# KiCad board first_keyboard.kicad_pcb (continued)
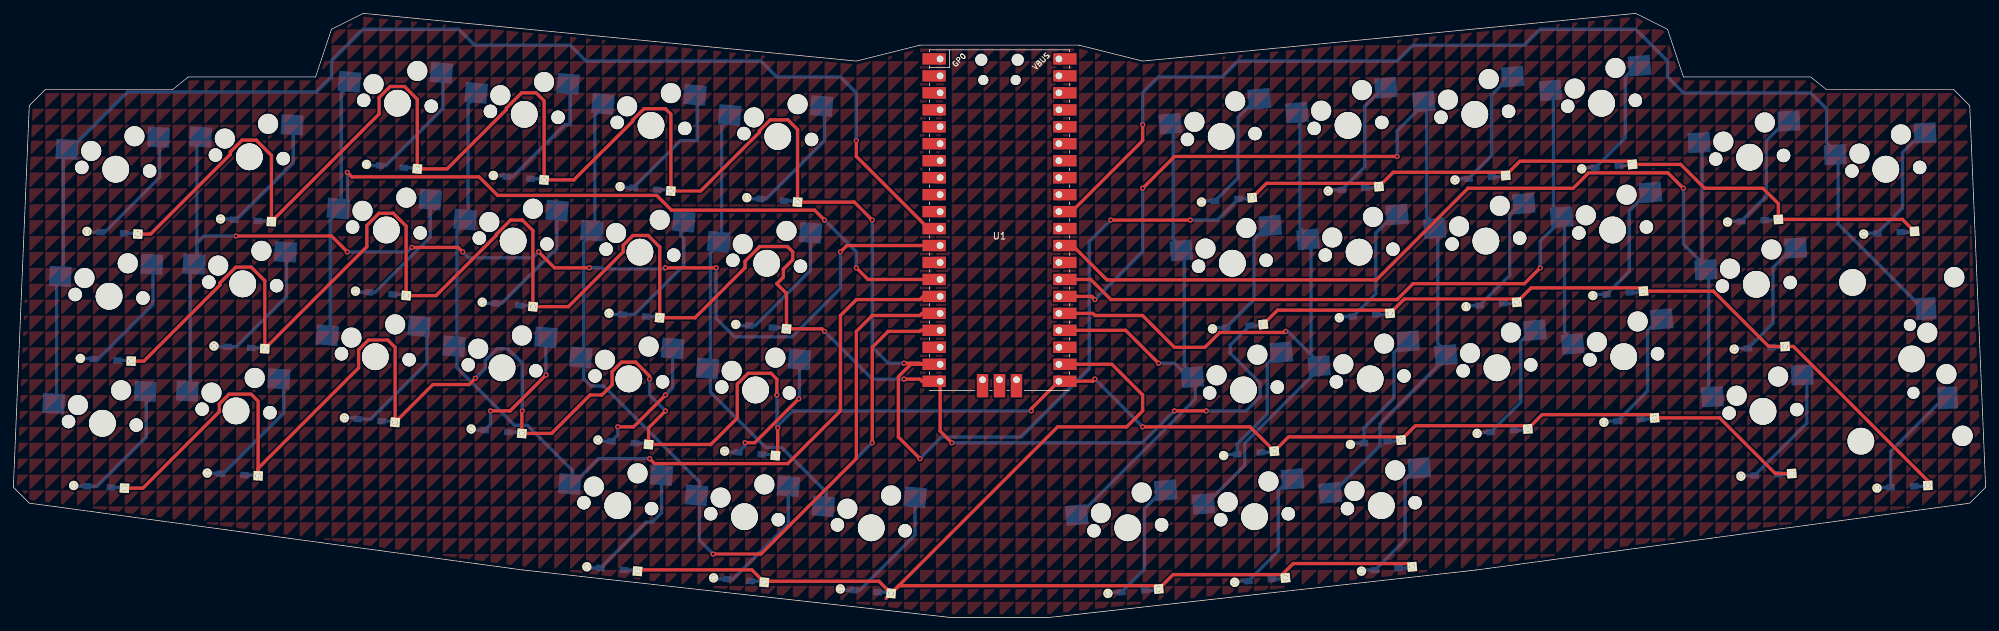
[diagram p0: board, top side]
## Copper pours and planes (outline as drawn; the poured copper is in the pictures) (continued)
(no net) on Top, Bottom: 69.06,135.73 69.06,133.35 71.44,135.73
(no net) on Top, Bottom: 9.53,42.86 9.53,40.48 11.91,42.86
(no net) on Top, Bottom: 302.42,73.82 302.42,71.44 304.8,73.82
(no net) on Top, Bottom: 211.93,114.3 211.93,111.92 214.31,114.3
(no net) on Top, Bottom: 150.02,92.87 150.02,90.49 152.4,92.87
(no net) on Top, Bottom: 171.45,76.2 171.45,73.82 173.83,76.2
(no net) on Top, Bottom: 54.77,-23.81 54.77,-26.19 57.15,-23.81
(no net) on Top, Bottom: 261.94,114.3 261.94,111.92 264.32,114.3
(no net) on Top, Bottom: 0,42.86 0,40.48 2.38,42.86
(no net) on Top, Bottom: 185.74,4.76 185.74,2.38 188.12,4.76
(no net) on Top, Bottom: 109.54,76.2 109.54,73.82 111.92,76.2
(no net) on Top, Bottom: 204.79,92.87 204.79,90.49 207.17,92.87
(no net) on Top, Bottom: 204.79,47.62 204.79,45.24 207.17,47.62
(no net) on Top, Bottom: 245.27,64.29 245.27,61.91 247.65,64.29
(no net) on Top, Bottom: 47.62,35.72 47.62,33.34 50.01,35.72
(no net) on Top, Bottom: 104.77,145.26 104.77,142.88 107.16,145.26
(no net) on Top, Bottom: 261.94,0 261.94,-2.38 264.32,0
(no net) on Top, Bottom: 104.77,42.86 104.77,40.48 107.16,42.86
(no net) on Top, Bottom: 261.94,102.39 261.94,100.01 264.32,102.39
(no net) on Top, Bottom: 183.36,30.96 183.36,28.57 185.74,30.96
(no net) on Top, Bottom: 259.56,-33.34 259.56,-35.72 261.94,-33.34
(no net) on Top, Bottom: 238.12,114.3 238.12,111.92 240.51,114.3
(no net) on Top, Bottom: 169.07,123.83 169.07,121.44 171.45,123.83
(no net) on Top, Bottom: 159.54,52.39 159.54,50.01 161.93,52.39
(no net) on Top, Bottom: 140.49,76.2 140.49,73.82 142.88,76.2
(no net) on Top, Bottom: 100.01,40.48 100.01,38.1 102.39,40.48
(no net) on Top, Bottom: 138.11,-38.1 138.11,-40.48 140.49,-38.1
(no net) on Top, Bottom: 69.06,-19.05 69.06,-21.43 71.44,-19.05
(no net) on Top, Bottom: 57.15,76.2 57.15,73.82 59.53,76.2
(no net) on Top, Bottom: 269.08,35.72 269.08,33.34 271.46,35.72
(no net) on Top, Bottom: 295.27,88.11 295.27,85.72 297.66,88.11
(no net) on Top, Bottom: 30.96,0 30.96,-2.38 33.34,0
(no net) on Top, Bottom: 226.22,16.67 226.22,14.29 228.6,16.67
(no net) on Top, Bottom: 216.69,-23.81 216.69,-26.19 219.07,-23.81
(no net) on Top, Bottom: 228.6,0 228.6,-2.38 230.98,0
(no net) on Top, Bottom: 133.35,35.72 133.35,33.34 135.73,35.72
(no net) on Top, Bottom: 4.76,0 4.76,-2.38 7.14,0
(no net) on Top, Bottom: 285.75,142.88 285.75,140.49 288.13,142.88
(no net) on Top, Bottom: 257.18,61.91 257.18,59.53 259.56,61.91
(no net) on Top, Bottom: 28.58,90.49 28.58,88.11 30.96,90.49
(no net) on Top, Bottom: 30.96,80.96 30.96,78.58 33.34,80.96
(no net) on Top, Bottom: 204.79,140.49 204.79,138.11 207.17,140.49
(no net) on Top, Bottom: 254.79,-33.34 254.79,-35.72 257.18,-33.34
(no net) on Top, Bottom: 47.62,76.2 47.62,73.82 50.01,76.2
(no net) on Top, Bottom: 264.32,109.54 264.32,107.16 266.7,109.54
(no net) on Top, Bottom: 100.01,-30.96 100.01,-33.34 102.39,-30.96
(no net) on Top, Bottom: 66.67,-26.19 66.67,-28.57 69.06,-26.19
(no net) on Top, Bottom: 21.43,78.58 21.43,76.2 23.81,78.58
(no net) on Top, Bottom: 202.41,40.48 202.41,38.1 204.79,40.48
(no net) on Top, Bottom: 121.44,71.44 121.44,69.06 123.83,71.44
(no net) on Top, Bottom: 123.83,88.11 123.83,85.72 126.21,88.11
(no net) on Top, Bottom: 238.12,-30.96 238.12,-33.34 240.51,-30.96
(no net) on Top, Bottom: 47.62,135.73 47.62,133.35 50.01,135.73
(no net) on Top, Bottom: 21.43,90.49 21.43,88.11 23.81,90.49
(no net) on Top, Bottom: 16.67,76.2 16.67,73.82 19.05,76.2
(no net) on Top, Bottom: 71.44,11.91 71.44,9.53 73.82,11.91
(no net) on Top, Bottom: 173.83,111.92 173.83,109.54 176.21,111.92
(no net) on Top, Bottom: 240.51,28.57 240.51,26.19 242.89,28.57
(no net) on Top, Bottom: 100.01,-19.05 100.01,-21.43 102.39,-19.05
(no net) on Top, Bottom: 92.87,147.64 92.87,145.26 95.25,147.64
(no net) on Top, Bottom: 173.83,61.91 173.83,59.53 176.21,61.91
(no net) on Top, Bottom: 280.99,121.44 280.99,119.06 283.37,121.44
(no net) on Top, Bottom: 123.83,114.3 123.83,111.92 126.21,114.3
(no net) on Top, Bottom: 47.62,73.82 47.62,71.44 50.01,73.82
(no net) on Top, Bottom: 185.74,100.01 185.74,97.63 188.12,100.01
(no net) on Top, Bottom: 173.83,100.01 173.83,97.63 176.21,100.01
(no net) on Top, Bottom: 102.39,-11.91 102.39,-14.29 104.77,-11.91
(no net) on Top, Bottom: 202.41,145.26 202.41,142.88 204.79,145.26
(no net) on Top, Bottom: 240.51,45.24 240.51,42.86 242.89,45.24
(no net) on Top, Bottom: 64.29,130.97 64.29,128.59 66.67,130.97
(no net) on Top, Bottom: 23.81,21.43 23.81,19.05 26.19,21.43
(no net) on Top, Bottom: 226.22,145.26 226.22,142.88 228.6,145.26
(no net) on Top, Bottom: 85.73,69.06 85.73,66.68 88.11,69.06
(no net) on Top, Bottom: 95.25,-11.91 95.25,-14.29 97.63,-11.91
(no net) on Top, Bottom: 40.48,-35.72 40.48,-38.1 42.86,-35.72
(no net) on Top, Bottom: 71.44,19.05 71.44,16.67 73.82,19.05
(no net) on Top, Bottom: 209.55,28.57 209.55,26.19 211.93,28.57
(no net) on Top, Bottom: 278.61,90.49 278.61,88.11 280.99,90.49
(no net) on Top, Bottom: 154.78,85.72 154.78,83.34 157.16,85.72
(no net) on Top, Bottom: 235.74,-35.72 235.74,-38.1 238.12,-35.72
(no net) on Top, Bottom: 235.74,80.96 235.74,78.58 238.12,80.96
(no net) on Top, Bottom: 240.51,2.38 240.51,0 242.89,2.38
(no net) on Top, Bottom: 114.3,80.96 114.3,78.58 116.68,80.96
(no net) on Top, Bottom: 216.69,-33.34 216.69,-35.72 219.07,-33.34
(no net) on Top, Bottom: 107.16,114.3 107.16,111.92 109.54,114.3
(no net) on Top, Bottom: 121.44,102.39 121.44,100.01 123.83,102.39
(no net) on Top, Bottom: 109.54,138.11 109.54,135.73 111.92,138.11
(no net) on Top, Bottom: 57.15,40.48 57.15,38.1 59.53,40.48
(no net) on Top, Bottom: 183.36,-9.53 183.36,-11.91 185.74,-9.53
(no net) on Top, Bottom: 204.79,128.59 204.79,126.21 207.17,128.59
(no net) on Top, Bottom: 100.01,78.58 100.01,76.2 102.39,78.58
(no net) on Top, Bottom: 85.73,-28.57 85.73,-30.96 88.11,-28.57
(no net) on Top, Bottom: 97.63,130.97 97.63,128.59 100.01,130.97
(no net) on Top, Bottom: 211.93,123.83 211.93,121.44 214.31,123.83
(no net) on Top, Bottom: 276.22,9.53 276.22,7.14 278.61,9.53
(no net) on Top, Bottom: 176.21,40.48 176.21,38.1 178.59,40.48
(no net) on Top, Bottom: 109.54,150.02 109.54,147.64 111.92,150.02
(no net) on Top, Bottom: 11.91,-7.14 11.91,-9.53 14.29,-7.14
(no net) on Top, Bottom: 126.21,54.77 126.21,52.39 128.59,54.77
(no net) on Top, Bottom: 83.34,-21.43 83.34,-23.81 85.73,-21.43
(no net) on Top, Bottom: 64.29,-4.76 64.29,-7.14 66.67,-4.76
(no net) on Top, Bottom: 233.36,78.58 233.36,76.2 235.74,78.58
(no net) on Top, Bottom: 230.98,109.54 230.98,107.16 233.36,109.54
(no net) on Top, Bottom: 119.06,100.01 119.06,97.63 121.44,100.01
(no net) on Top, Bottom: 66.67,40.48 66.67,38.1 69.06,40.48
(no net) on Top, Bottom: 211.93,0 211.93,-2.38 214.31,0
(no net) on Top, Bottom: 150.02,107.16 150.02,104.78 152.4,107.16
(no net) on Top, Bottom: 219.07,145.26 219.07,142.88 221.46,145.26
(no net) on Top, Bottom: 200.02,-23.81 200.02,-26.19 202.41,-23.81
(no net) on Top, Bottom: 121.44,111.92 121.44,109.54 123.83,111.92
(no net) on Top, Bottom: 257.18,2.38 257.18,0 259.56,2.38
(no net) on Top, Bottom: 261.94,4.76 261.94,2.38 264.32,4.76
(no net) on Top, Bottom: 73.82,83.34 73.82,80.96 76.2,83.34
(no net) on Top, Bottom: 0,14.29 0,11.91 2.38,14.29
(no net) on Top, Bottom: 264.32,57.15 264.32,54.77 266.7,57.15
(no net) on Top, Bottom: 214.31,64.29 214.31,61.91 216.69,64.29
(no net) on Top, Bottom: 285.75,4.76 285.75,2.38 288.13,4.76
(no net) on Top, Bottom: 92.87,73.82 92.87,71.44 95.25,73.82
(no net) on Top, Bottom: 52.39,150.02 52.39,147.64 54.77,150.02
(no net) on Top, Bottom: 11.91,45.24 11.91,42.86 14.29,45.24
(no net) on Top, Bottom: 130.97,150.02 130.97,147.64 133.35,150.02
(no net) on Top, Bottom: 280.99,142.88 280.99,140.49 283.37,142.88
(no net) on Top, Bottom: 269.08,69.06 269.08,66.68 271.46,69.06
(no net) on Top, Bottom: 7.14,-11.91 7.14,-14.29 9.53,-11.91
(no net) on Top, Bottom: 40.48,85.72 40.48,83.34 42.86,85.72
(no net) on Top, Bottom: 61.91,-14.29 61.91,-16.67 64.29,-14.29
(no net) on Top, Bottom: 130.97,-21.43 130.97,-23.81 133.35,-21.43
(no net) on Top, Bottom: 145.26,142.88 145.26,140.49 147.64,142.88
(no net) on Top, Bottom: 297.66,92.87 297.66,90.49 300.04,92.87
(no net) on Top, Bottom: 123.83,16.67 123.83,14.29 126.21,16.67
(no net) on Top, Bottom: 80.96,73.82 80.96,71.44 83.34,73.82
(no net) on Top, Bottom: 188.12,121.44 188.12,119.06 190.5,121.44
(no net) on Top, Bottom: 147.64,4.76 147.64,2.38 150.02,4.76
(no net) on Top, Bottom: 161.93,23.81 161.93,21.43 164.31,23.81
(no net) on Top, Bottom: 140.49,45.24 140.49,42.86 142.88,45.24
(no net) on Top, Bottom: 200.02,119.06 200.02,116.68 202.41,119.06
(no net) on Top, Bottom: 261.94,-30.96 261.94,-33.34 264.32,-30.96
(no net) on Top, Bottom: 33.34,69.06 33.34,66.68 35.72,69.06
(no net) on Top, Bottom: 73.82,-16.67 73.82,-19.05 76.2,-16.67
(no net) on Top, Bottom: 159.54,-33.34 159.54,-35.72 161.93,-33.34
(no net) on Top, Bottom: 159.54,85.72 159.54,83.34 161.93,85.72
(no net) on Top, Bottom: 245.27,95.25 245.27,92.87 247.65,95.25
(no net) on Top, Bottom: 135.73,9.53 135.73,7.14 138.11,9.53
(no net) on Top, Bottom: 159.54,95.25 159.54,92.87 161.93,95.25
(no net) on Top, Bottom: 264.32,21.43 264.32,19.05 266.7,21.43
(no net) on Top, Bottom: 104.77,128.59 104.77,126.21 107.16,128.59
(no net) on Top, Bottom: 121.44,116.68 121.44,114.3 123.83,116.68
(no net) on Top, Bottom: 130.97,-23.81 130.97,-26.19 133.35,-23.81
(no net) on Top, Bottom: 223.84,-33.34 223.84,-35.72 226.22,-33.34
(no net) on Top, Bottom: 164.31,-11.91 164.31,-14.29 166.69,-11.91
(no net) on Top, Bottom: 80.96,116.68 80.96,114.3 83.34,116.68
(no net) on Top, Bottom: 69.06,16.67 69.06,14.29 71.44,16.67
(no net) on Top, Bottom: 116.68,11.91 116.68,9.53 119.06,11.91
(no net) on Top, Bottom: 228.6,16.67 228.6,14.29 230.98,16.67
(no net) on Top, Bottom: 114.3,40.48 114.3,38.1 116.68,40.48
(no net) on Top, Bottom: 283.37,140.49 283.37,138.11 285.75,140.49
(no net) on Top, Bottom: 23.81,4.76 23.81,2.38 26.19,4.76
(no net) on Top, Bottom: 114.3,97.63 114.3,95.25 116.68,97.63
(no net) on Top, Bottom: 111.92,121.44 111.92,119.06 114.3,121.44
(no net) on Top, Bottom: 276.22,59.53 276.22,57.15 278.61,59.53
(no net) on Top, Bottom: 276.22,-14.29 276.22,-16.67 278.61,-14.29
(no net) on Top, Bottom: 288.13,111.92 288.13,109.54 290.51,111.92
(no net) on Top, Bottom: 7.14,16.67 7.14,14.29 9.53,16.67
(no net) on Top, Bottom: 226.22,42.86 226.22,40.48 228.6,42.86
(no net) on Top, Bottom: 33.34,114.3 33.34,111.92 35.72,114.3
(no net) on Top, Bottom: 169.07,-21.43 169.07,-23.81 171.45,-21.43
(no net) on Top, Bottom: 209.55,69.06 209.55,66.68 211.93,69.06
(no net) on Top, Bottom: 280.99,119.06 280.99,116.68 283.37,119.06
(no net) on Top, Bottom: 126.21,135.73 126.21,133.35 128.59,135.73
(no net) on Top, Bottom: 7.14,-9.53 7.14,-11.91 9.53,-9.53
(no net) on Top, Bottom: 114.3,16.67 114.3,14.29 116.68,16.67
(no net) on Top, Bottom: 300.04,147.64 300.04,145.26 302.42,147.64
(no net) on Top, Bottom: 78.58,-14.29 78.58,-16.67 80.96,-14.29
(no net) on Top, Bottom: 242.89,0 242.89,-2.38 245.27,0
(no net) on Top, Bottom: 209.55,102.39 209.55,100.01 211.93,102.39
(no net) on Top, Bottom: 230.98,14.29 230.98,11.91 233.36,14.29
(no net) on Top, Bottom: 88.11,-30.96 88.11,-33.34 90.49,-30.96
(no net) on Top, Bottom: 235.74,57.15 235.74,54.77 238.12,57.15
(no net) on Top, Bottom: 216.69,-38.1 216.69,-40.48 219.07,-38.1
(no net) on Top, Bottom: 95.25,114.3 95.25,111.92 97.63,114.3
(no net) on Top, Bottom: 111.92,61.91 111.92,59.53 114.3,61.91
(no net) on Top, Bottom: 173.83,90.49 173.83,88.11 176.21,90.49
(no net) on Top, Bottom: 254.79,133.35 254.79,130.97 257.18,133.35
(no net) on Top, Bottom: 138.11,-19.05 138.11,-21.43 140.49,-19.05
(no net) on Top, Bottom: 254.79,140.49 254.79,138.11 257.18,140.49
(no net) on Top, Bottom: 192.88,52.39 192.88,50.01 195.26,52.39
(no net) on Top, Bottom: 85.73,78.58 85.73,76.2 88.11,78.58
(no net) on Top, Bottom: 190.5,61.91 190.5,59.53 192.88,61.91
(no net) on Top, Bottom: 183.36,33.34 183.36,30.96 185.74,33.34
(no net) on Top, Bottom: 188.12,26.19 188.12,23.81 190.5,26.19
(no net) on Top, Bottom: 178.59,95.25 178.59,92.87 180.98,95.25
(no net) on Top, Bottom: 40.48,116.68 40.48,114.3 42.86,116.68
(no net) on Top, Bottom: 166.69,45.24 166.69,42.86 169.07,45.24
(no net) on Top, Bottom: 169.07,28.57 169.07,26.19 171.45,28.57
(no net) on Top, Bottom: 19.05,26.19 19.05,23.81 21.43,26.19
(no net) on Top, Bottom: 109.54,104.78 109.54,102.39 111.92,104.78
(no net) on Top, Bottom: 221.46,11.91 221.46,9.53 223.84,11.91
(no net) on Top, Bottom: 161.93,50.01 161.93,47.62 164.31,50.01
(no net) on Top, Bottom: 285.75,147.64 285.75,145.26 288.13,147.64
(no net) on Top, Bottom: 150.02,-11.91 150.02,-14.29 152.4,-11.91
(no net) on Top, Bottom: 192.88,130.97 192.88,128.59 195.26,130.97
(no net) on Top, Bottom: 111.92,52.39 111.92,50.01 114.3,52.39
(no net) on Top, Bottom: 59.53,121.44 59.53,119.06 61.91,121.44
(no net) on Top, Bottom: 228.6,104.78 228.6,102.39 230.98,104.78
(no net) on Top, Bottom: 88.11,-23.81 88.11,-26.19 90.49,-23.81
(no net) on Top, Bottom: 183.36,130.97 183.36,128.59 185.74,130.97
(no net) on Top, Bottom: 126.21,-14.29 126.21,-16.67 128.59,-14.29
(no net) on Top, Bottom: 83.34,119.06 83.34,116.68 85.73,119.06
(no net) on Top, Bottom: 271.46,-21.43 271.46,-23.81 273.84,-21.43
(no net) on Top, Bottom: 138.11,-2.38 138.11,-4.76 140.49,-2.38
(no net) on Top, Bottom: 219.07,71.44 219.07,69.06 221.46,71.44
(no net) on Top, Bottom: 150.02,52.39 150.02,50.01 152.4,52.39
(no net) on Top, Bottom: 185.74,33.34 185.74,30.96 188.12,33.34
(no net) on Top, Bottom: 164.31,9.53 164.31,7.14 166.69,9.53
(no net) on Top, Bottom: 147.64,47.62 147.64,45.24 150.02,47.62
(no net) on Top, Bottom: 76.2,14.29 76.2,11.91 78.58,14.29
(no net) on Top, Bottom: 52.39,130.97 52.39,128.59 54.77,130.97
(no net) on Top, Bottom: 300.04,57.15 300.04,54.77 302.42,57.15
(no net) on Top, Bottom: 35.72,116.68 35.72,114.3 38.1,116.68
(no net) on Top, Bottom: 173.83,142.88 173.83,140.49 176.21,142.88
(no net) on Top, Bottom: 252.41,-28.57 252.41,-30.96 254.79,-28.57
(no net) on Top, Bottom: 88.11,38.1 88.11,35.72 90.49,38.1
(no net) on Top, Bottom: 52.39,-2.38 52.39,-4.76 54.77,-2.38
(no net) on Top, Bottom: 121.44,130.97 121.44,128.59 123.83,130.97
(no net) on Top, Bottom: 214.31,42.86 214.31,40.48 216.69,42.86
(no net) on Top, Bottom: 245.27,9.53 245.27,7.14 247.65,9.53
(no net) on Top, Bottom: 57.15,0 57.15,-2.38 59.53,0
(no net) on Top, Bottom: 152.4,35.72 152.4,33.34 154.78,35.72
(no net) on Top, Bottom: 173.83,-23.81 173.83,-26.19 176.21,-23.81
(no net) on Top, Bottom: 192.88,90.49 192.88,88.11 195.26,90.49
(no net) on Top, Bottom: 202.41,71.44 202.41,69.06 204.79,71.44
(no net) on Top, Bottom: 121.44,95.25 121.44,92.87 123.83,95.25
(no net) on Top, Bottom: 92.87,42.86 92.87,40.48 95.25,42.86
(no net) on Top, Bottom: 278.61,40.48 278.61,38.1 280.99,40.48
(no net) on Top, Bottom: 133.35,90.49 133.35,88.11 135.73,90.49
(no net) on Top, Bottom: 114.3,9.53 114.3,7.14 116.68,9.53
(no net) on Top, Bottom: 188.12,100.01 188.12,97.63 190.5,100.01
(no net) on Top, Bottom: 7.14,76.2 7.14,73.82 9.53,76.2
(no net) on Top, Bottom: 95.25,69.06 95.25,66.68 97.63,69.06
(no net) on Top, Bottom: 92.87,-7.14 92.87,-9.53 95.25,-7.14
(no net) on Top, Bottom: 290.51,23.81 290.51,21.43 292.89,23.81
(no net) on Top, Bottom: 161.93,61.91 161.93,59.53 164.31,61.91
(no net) on Top, Bottom: 95.25,59.53 95.25,57.15 97.63,59.53
(no net) on Top, Bottom: 11.91,28.57 11.91,26.19 14.29,28.57
(no net) on Top, Bottom: 30.96,121.44 30.96,119.06 33.34,121.44
(no net) on Top, Bottom: 26.19,66.68 26.19,64.29 28.58,66.68
(no net) on Top, Bottom: 178.59,2.38 178.59,0 180.98,2.38
(no net) on Top, Bottom: 178.59,-16.67 178.59,-19.05 180.98,-16.67
(no net) on Top, Bottom: 197.64,142.88 197.64,140.49 200.02,142.88
(no net) on Top, Bottom: 23.81,97.63 23.81,95.25 26.19,97.63
(no net) on Top, Bottom: 185.74,30.96 185.74,28.57 188.12,30.96
(no net) on Top, Bottom: 259.56,97.63 259.56,95.25 261.94,97.63
(no net) on Top, Bottom: 52.39,92.87 52.39,90.49 54.77,92.87
(no net) on Top, Bottom: 4.76,14.29 4.76,11.91 7.14,14.29
(no net) on Top, Bottom: 195.26,109.54 195.26,107.16 197.64,109.54
(no net) on Top, Bottom: 114.3,-11.91 114.3,-14.29 116.68,-11.91
(no net) on Top, Bottom: 107.16,107.16 107.16,104.78 109.54,107.16
(no net) on Top, Bottom: 157.16,-19.05 157.16,-21.43 159.54,-19.05
(no net) on Top, Bottom: 19.05,-4.76 19.05,-7.14 21.43,-4.76
(no net) on Top, Bottom: 135.73,-38.1 135.73,-40.48 138.11,-38.1
(no net) on Top, Bottom: 261.94,150.02 261.94,147.64 264.32,150.02
(no net) on Top, Bottom: 192.88,150.02 192.88,147.64 195.26,150.02
(no net) on Top, Bottom: 183.36,97.63 183.36,95.25 185.74,97.63
(no net) on Top, Bottom: 197.64,126.21 197.64,123.83 200.02,126.21
(no net) on Top, Bottom: 207.17,64.29 207.17,61.91 209.55,64.29
(no net) on Top, Bottom: 166.69,52.39 166.69,50.01 169.07,52.39
(no net) on Top, Bottom: 180.98,-19.05 180.98,-21.43 183.36,-19.05
(no net) on Top, Bottom: 271.46,-33.34 271.46,-35.72 273.84,-33.34
(no net) on Top, Bottom: 71.44,54.77 71.44,52.39 73.82,54.77
(no net) on Top, Bottom: 147.64,-30.96 147.64,-33.34 150.02,-30.96
(no net) on Top, Bottom: 290.51,64.29 290.51,61.91 292.89,64.29
(no net) on Top, Bottom: 95.25,40.48 95.25,38.1 97.63,40.48
(no net) on Top, Bottom: 228.6,-28.57 228.6,-30.96 230.98,-28.57
(no net) on Top, Bottom: 4.76,76.2 4.76,73.82 7.14,76.2
(no net) on Top, Bottom: 280.99,107.16 280.99,104.78 283.37,107.16
(no net) on Top, Bottom: 202.41,123.83 202.41,121.44 204.79,123.83
(no net) on Top, Bottom: 283.37,145.26 283.37,142.88 285.75,145.26
(no net) on Top, Bottom: 154.78,130.97 154.78,128.59 157.16,130.97
(no net) on Top, Bottom: 135.73,-21.43 135.73,-23.81 138.11,-21.43
(no net) on Top, Bottom: 97.63,23.81 97.63,21.43 100.01,23.81
(no net) on Top, Bottom: 71.44,16.67 71.44,14.29 73.82,16.67
(no net) on Top, Bottom: 302.42,0 302.42,-2.38 304.8,0
(no net) on Top, Bottom: 214.31,138.11 214.31,135.73 216.69,138.11
(no net) on Top, Bottom: 28.58,109.54 28.58,107.16 30.96,109.54
(no net) on Top, Bottom: 47.62,126.21 47.62,123.83 50.01,126.21
(no net) on Top, Bottom: 78.58,116.68 78.58,114.3 80.96,116.68
(no net) on Top, Bottom: 200.02,50.01 200.02,47.62 202.41,50.01
(no net) on Top, Bottom: 66.67,126.21 66.67,123.83 69.06,126.21
(no net) on Top, Bottom: 271.46,23.81 271.46,21.43 273.84,23.81
(no net) on Top, Bottom: 104.77,-7.14 104.77,-9.53 107.16,-7.14
(no net) on Top, Bottom: 14.29,66.68 14.29,64.29 16.67,66.68
(no net) on Top, Bottom: 69.06,-9.53 69.06,-11.91 71.44,-9.53
(no net) on Top, Bottom: 71.44,-7.14 71.44,-9.53 73.82,-7.14
(no net) on Top, Bottom: 302.42,35.72 302.42,33.34 304.8,35.72
(no net) on Top, Bottom: 195.26,88.11 195.26,85.72 197.64,88.11
(no net) on Top, Bottom: 245.27,140.49 245.27,138.11 247.65,140.49
(no net) on Top, Bottom: 266.7,116.68 266.7,114.3 269.08,116.68
(no net) on Top, Bottom: 159.54,-38.1 159.54,-40.48 161.93,-38.1
(no net) on Top, Bottom: 211.93,28.57 211.93,26.19 214.31,28.57
(no net) on Top, Bottom: 207.17,76.2 207.17,73.82 209.55,76.2
(no net) on Top, Bottom: 204.79,95.25 204.79,92.87 207.17,95.25
(no net) on Top, Bottom: 23.81,126.21 23.81,123.83 26.19,126.21
(no net) on Top, Bottom: 207.17,71.44 207.17,69.06 209.55,71.44
(no net) on Top, Bottom: 102.39,111.92 102.39,109.54 104.77,111.92
(no net) on Top, Bottom: 50.01,140.49 50.01,138.11 52.39,140.49
(no net) on Top, Bottom: 183.36,54.77 183.36,52.39 185.74,54.77
(no net) on Top, Bottom: 111.92,45.24 111.92,42.86 114.3,45.24
(no net) on Top, Bottom: 42.86,59.53 42.86,57.15 45.24,59.53
(no net) on Top, Bottom: 57.15,78.58 57.15,76.2 59.53,78.58
(no net) on Top, Bottom: 159.54,80.96 159.54,78.58 161.93,80.96
(no net) on Top, Bottom: 238.12,59.53 238.12,57.15 240.51,59.53
(no net) on Top, Bottom: 252.41,2.38 252.41,0 254.79,2.38
(no net) on Top, Bottom: 221.46,71.44 221.46,69.06 223.84,71.44
(no net) on Top, Bottom: 302.42,69.06 302.42,66.68 304.8,69.06
(no net) on Top, Bottom: 38.1,-38.1 38.1,-40.48 40.48,-38.1
(no net) on Top, Bottom: 78.58,-38.1 78.58,-40.48 80.96,-38.1
(no net) on Top, Bottom: 40.48,80.96 40.48,78.58 42.86,80.96
(no net) on Top, Bottom: 207.17,26.19 207.17,23.81 209.55,26.19
(no net) on Top, Bottom: 295.27,-11.91 295.27,-14.29 297.66,-11.91
(no net) on Top, Bottom: 283.37,126.21 283.37,123.83 285.75,126.21
(no net) on Top, Bottom: 178.59,30.96 178.59,28.57 180.98,30.96
(no net) on Top, Bottom: 69.06,0 69.06,-2.38 71.44,0
(no net) on Top, Bottom: 173.83,145.26 173.83,142.88 176.21,145.26
(no net) on Top, Bottom: 288.13,114.3 288.13,111.92 290.51,114.3
(no net) on Top, Bottom: 69.06,11.91 69.06,9.53 71.44,11.91
(no net) on Top, Bottom: 180.98,-30.96 180.98,-33.34 183.36,-30.96
(no net) on Top, Bottom: 230.98,123.83 230.98,121.44 233.36,123.83
(no net) on Top, Bottom: 121.44,57.15 121.44,54.77 123.83,57.15
(no net) on Top, Bottom: 157.16,102.39 157.16,100.01 159.54,102.39
(no net) on Top, Bottom: 7.14,2.38 7.14,0 9.53,2.38
(no net) on Top, Bottom: 166.69,16.67 166.69,14.29 169.07,16.67
(no net) on Top, Bottom: 188.12,61.91 188.12,59.53 190.5,61.91
(no net) on Top, Bottom: 216.69,138.11 216.69,135.73 219.07,138.11
(no net) on Top, Bottom: 21.43,-19.05 21.43,-21.43 23.81,-19.05
(no net) on Top, Bottom: 161.93,-16.67 161.93,-19.05 164.31,-16.67
(no net) on Top, Bottom: 0,61.91 0,59.53 2.38,61.91
(no net) on Top, Bottom: 95.25,52.39 95.25,50.01 97.63,52.39
(no net) on Top, Bottom: 214.31,76.2 214.31,73.82 216.69,76.2
(no net) on Top, Bottom: 202.41,-11.91 202.41,-14.29 204.79,-11.91
(no net) on Top, Bottom: 73.82,21.43 73.82,19.05 76.2,21.43
(no net) on Top, Bottom: 66.67,147.64 66.67,145.26 69.06,147.64
(no net) on Top, Bottom: 100.01,90.49 100.01,88.11 102.39,90.49
(no net) on Top, Bottom: 197.64,-21.43 197.64,-23.81 200.02,-21.43
(no net) on Top, Bottom: 280.99,45.24 280.99,42.86 283.37,45.24
(no net) on Top, Bottom: 240.51,119.06 240.51,116.68 242.89,119.06
(no net) on Top, Bottom: 173.83,66.68 173.83,64.29 176.21,66.68
(no net) on Top, Bottom: 166.69,57.15 166.69,54.77 169.07,57.15
(no net) on Top, Bottom: 150.02,-35.72 150.02,-38.1 152.4,-35.72
(no net) on Top, Bottom: 242.89,130.97 242.89,128.59 245.27,130.97
(no net) on Top, Bottom: 102.39,-26.19 102.39,-28.57 104.77,-26.19
(no net) on Top, Bottom: 192.88,21.43 192.88,19.05 195.26,21.43
(no net) on Top, Bottom: 197.64,-19.05 197.64,-21.43 200.02,-19.05
(no net) on Top, Bottom: 197.64,21.43 197.64,19.05 200.02,21.43
(no net) on Top, Bottom: 85.73,-4.76 85.73,-7.14 88.11,-4.76
(no net) on Top, Bottom: 292.89,73.82 292.89,71.44 295.27,73.82
(no net) on Top, Bottom: 154.78,-4.76 154.78,-7.14 157.16,-4.76
(no net) on Top, Bottom: 73.82,14.29 73.82,11.91 76.2,14.29
(no net) on Top, Bottom: 16.67,92.87 16.67,90.49 19.05,92.87
(no net) on Top, Bottom: 271.46,142.88 271.46,140.49 273.84,142.88
(no net) on Top, Bottom: 100.01,104.78 100.01,102.39 102.39,104.78
(no net) on Top, Bottom: 111.92,-11.91 111.92,-14.29 114.3,-11.91
(no net) on Top, Bottom: 266.7,145.26 266.7,142.88 269.08,145.26
(no net) on Top, Bottom: 261.94,30.96 261.94,28.57 264.32,30.96
(no net) on Top, Bottom: 300.04,-2.38 300.04,-4.76 302.42,-2.38
(no net) on Top, Bottom: 176.21,71.44 176.21,69.06 178.59,71.44
(no net) on Top, Bottom: 216.69,57.15 216.69,54.77 219.07,57.15
(no net) on Top, Bottom: 54.77,145.26 54.77,142.88 57.15,145.26
(no net) on Top, Bottom: 254.79,97.63 254.79,95.25 257.18,97.63
(no net) on Top, Bottom: 252.41,-35.72 252.41,-38.1 254.79,-35.72
(no net) on Top, Bottom: 133.35,0 133.35,-2.38 135.73,0
(no net) on Top, Bottom: 59.53,109.54 59.53,107.16 61.91,109.54
(no net) on Top, Bottom: 211.93,130.97 211.93,128.59 214.31,130.97
(no net) on Top, Bottom: 276.22,38.1 276.22,35.72 278.61,38.1
(no net) on Top, Bottom: 226.22,19.05 226.22,16.67 228.6,19.05
(no net) on Top, Bottom: 97.63,7.14 97.63,4.76 100.01,7.14
(no net) on Top, Bottom: 259.56,23.81 259.56,21.43 261.94,23.81
(no net) on Top, Bottom: 135.73,130.97 135.73,128.59 138.11,130.97
(no net) on Top, Bottom: 240.51,66.68 240.51,64.29 242.89,66.68
(no net) on Top, Bottom: 214.31,-7.14 214.31,-9.53 216.69,-7.14
(no net) on Top, Bottom: 61.91,42.86 61.91,40.48 64.29,42.86
(no net) on Top, Bottom: 304.8,73.82 304.8,71.44 307.18,73.82
(no net) on Top, Bottom: 59.53,54.77 59.53,52.39 61.91,54.77
(no net) on Top, Bottom: 157.16,57.15 157.16,54.77 159.54,57.15
(no net) on Top, Bottom: 266.7,121.44 266.7,119.06 269.08,121.44
(no net) on Top, Bottom: 57.15,71.44 57.15,69.06 59.53,71.44
(no net) on Top, Bottom: 69.06,59.53 69.06,57.15 71.44,59.53
(no net) on Top, Bottom: 9.53,107.16 9.53,104.78 11.91,107.16
(no net) on Top, Bottom: 280.99,28.57 280.99,26.19 283.37,28.57
(no net) on Top, Bottom: 223.84,14.29 223.84,11.91 226.22,14.29
(no net) on Top, Bottom: 290.51,-11.91 290.51,-14.29 292.89,-11.91
(no net) on Top, Bottom: 297.66,-28.57 297.66,-30.96 300.04,-28.57
(no net) on Top, Bottom: 102.39,102.39 102.39,100.01 104.77,102.39
(no net) on Top, Bottom: 280.99,130.97 280.99,128.59 283.37,130.97
